# KiCad board CPU.kicad_pcb (continued)
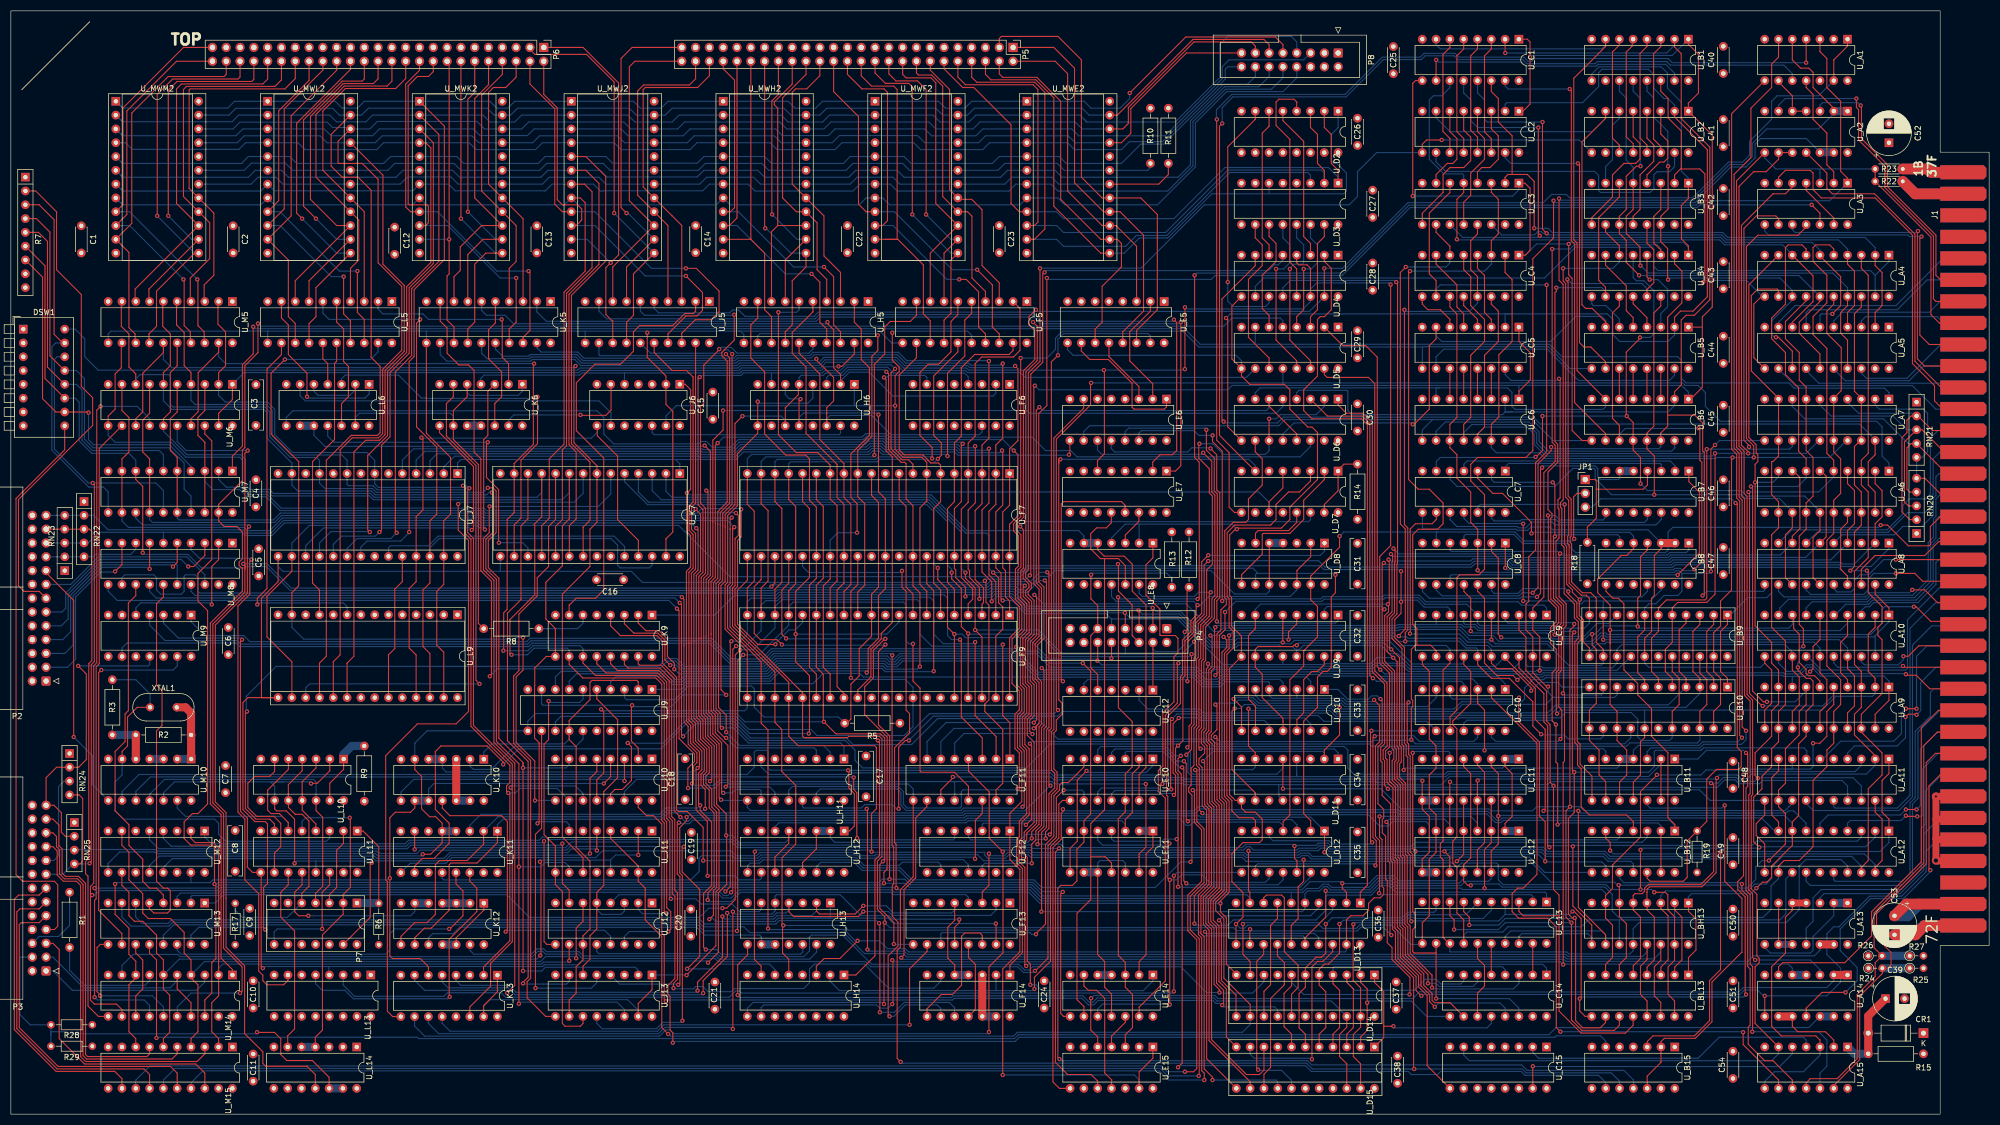
[diagram p0: board, top side]
## Routing (per net, layer and track width the routed paths; a pad name or vN(x,y) marks a point on that pad's centre or on a via; arc(x,y) is an arc through that point) (continued)
Net-(U_M13-Pad9): length 25.6
  Top w0.2: U_M13.9 16.45,31.23 15.85,30.63 15.85,22.55 16.42,21.99 v1(16.42,21.78)
  Bottom w0.2: U_M14.15 28.06,19.74 26.04,21.77 16.43,21.77 v1(16.42,21.78)
Net-(U_M13-Pad11): length 14.3
  Top w0.2: U_M14.13 22.98,21.76 24.26,23.04 24.26,28.37 22.97,29.67 U_M13.11

## Copper pours and planes (outline as drawn; the poured copper is in the pictures)
+5V on In1.Cu: 353.19,185.47 353.19,8.94 346.84,8.94 340.49,2.59 12.83,2.59 1.4,14.02 1.4,176.58 25.53,200.71 337.95,200.71
GND on In2.Cu: 353.19,185.47 353.19,8.94 346.84,8.94 340.49,2.59 12.83,2.59 1.4,14.02 1.4,176.58 25.53,200.71 337.95,200.71

## Text on the board
F.Silkscreen: TOP
